# Altium PCB Controller.PcbDoc (part 1 of 3)
Units mm, origin at the board's own origin, x right, y up, seen from the top; angles counter-clockwise.
Board outline 182.88 x 202.56 mm, 2 copper layers (Top Layer, Bottom Layer), stack 1.571 mm thick; 290 components, 190 nets, 919 pads, 198 vias.
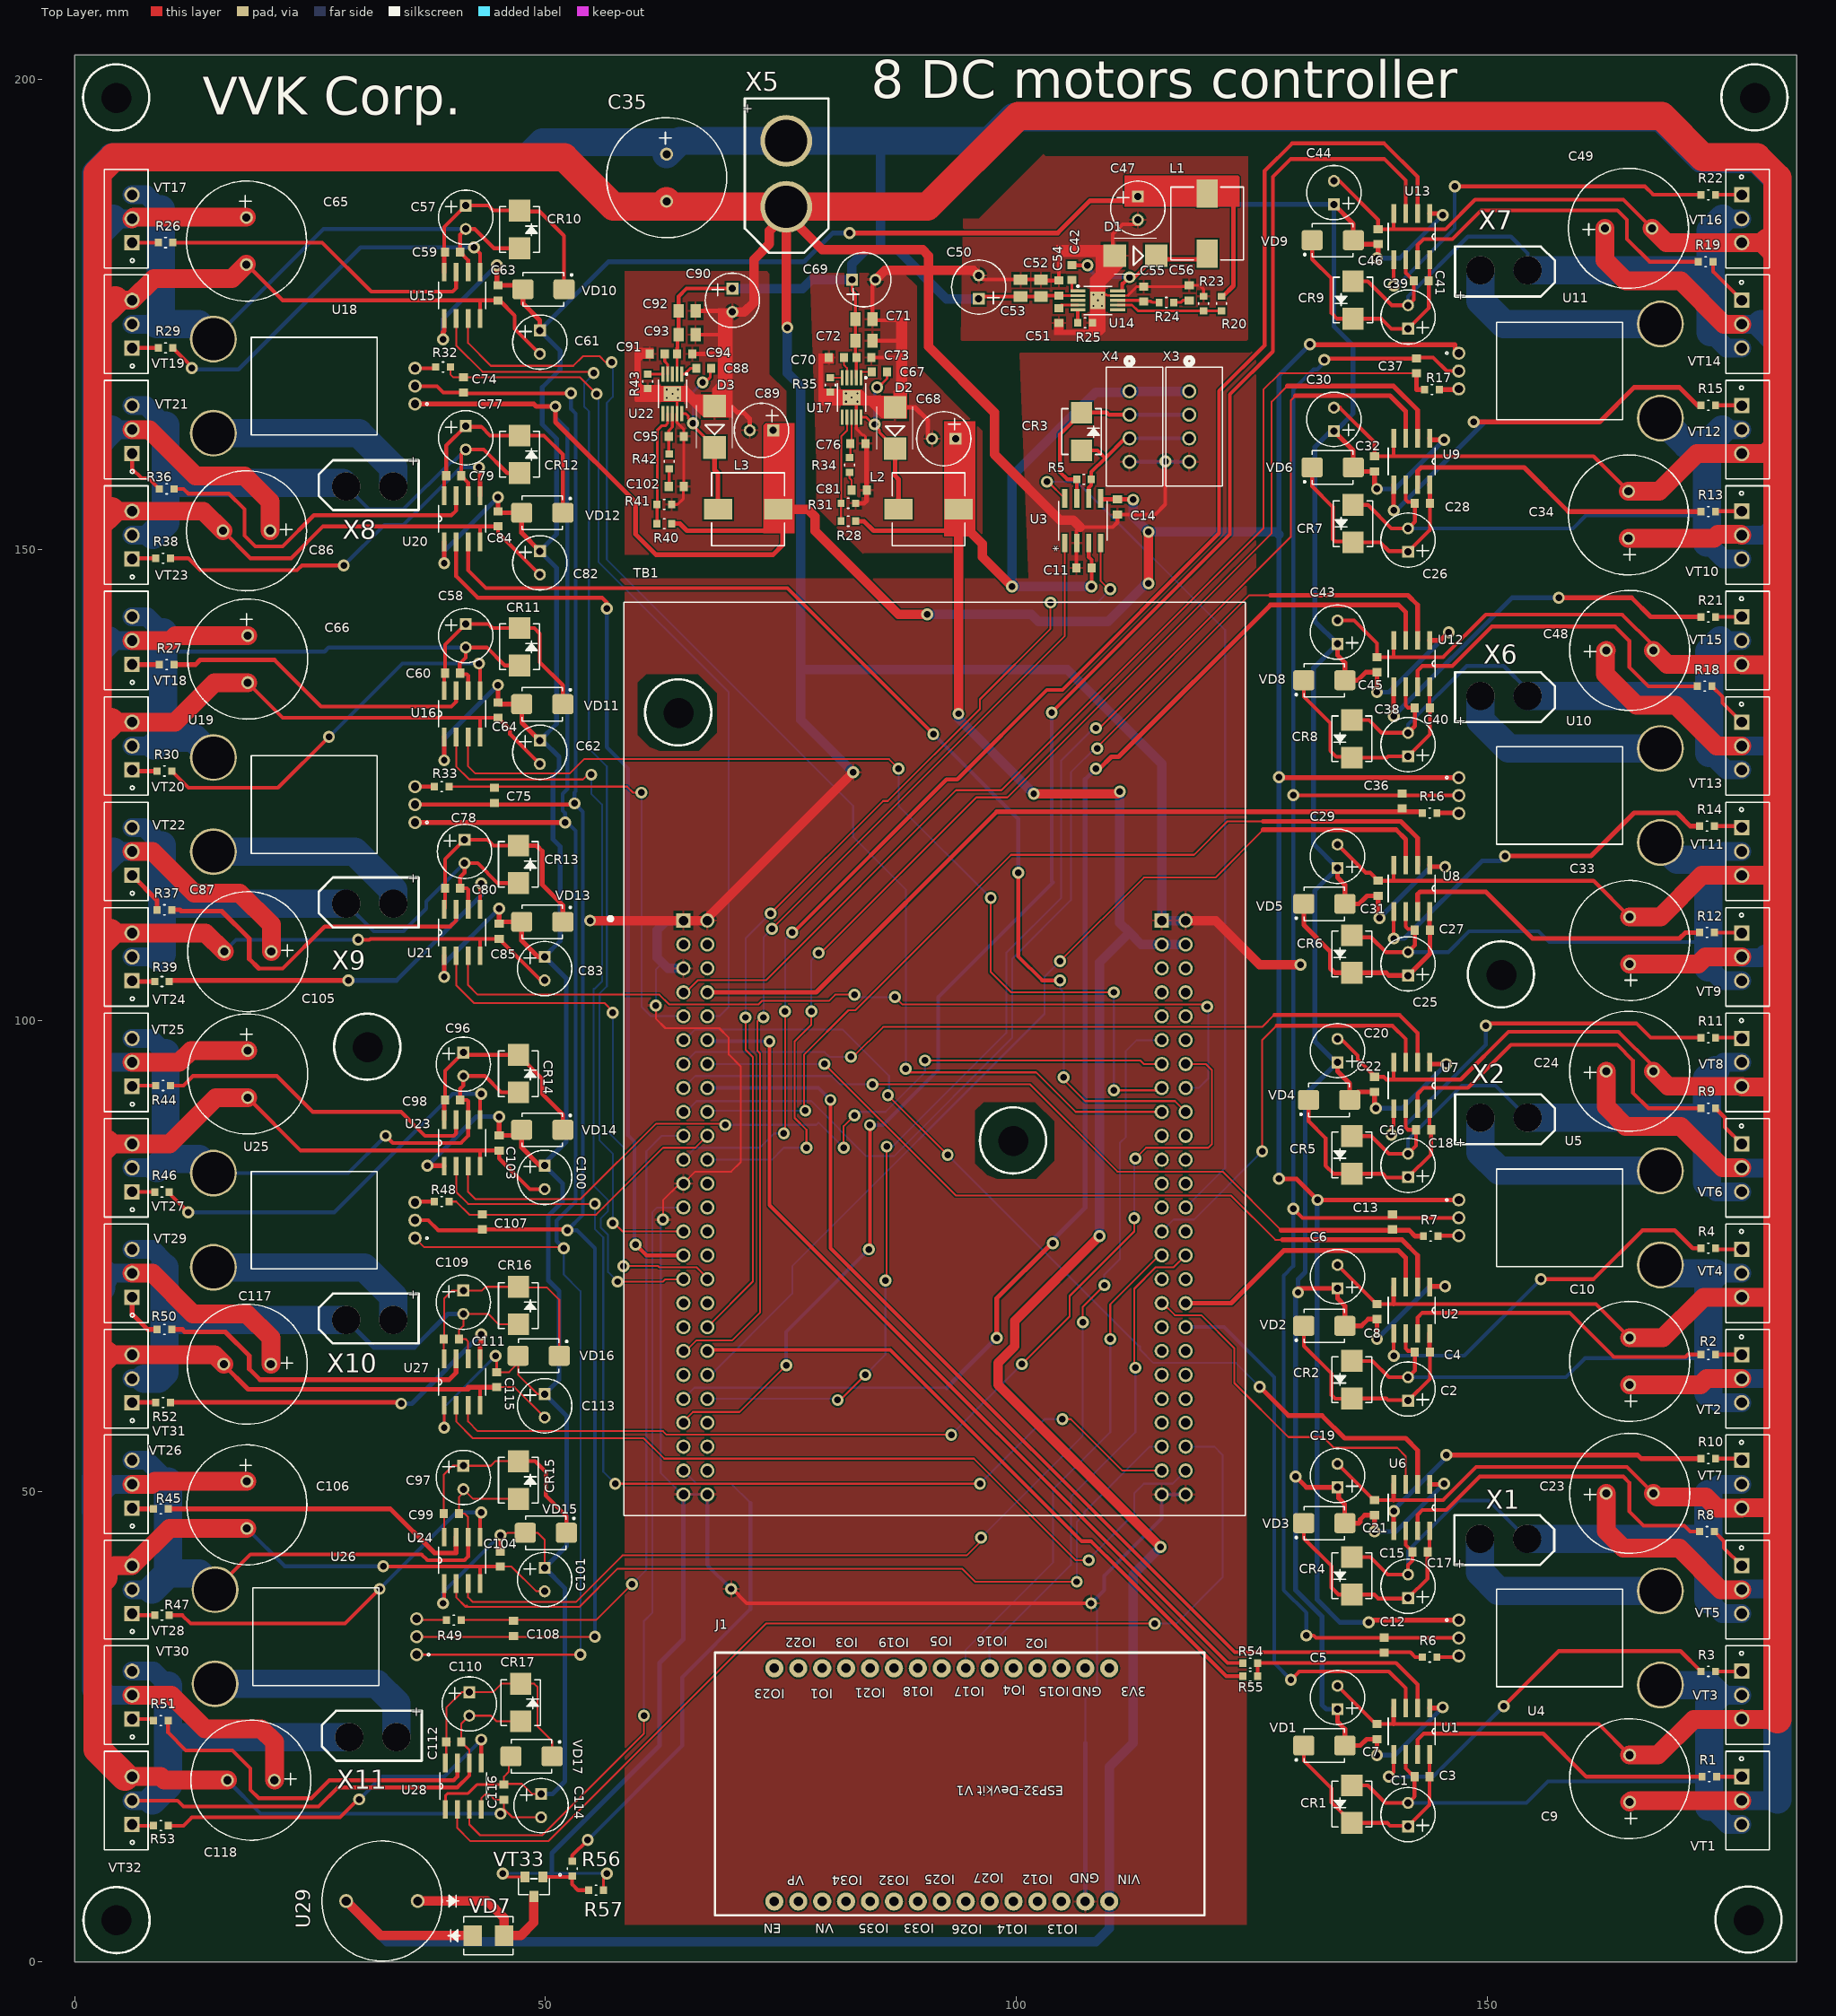
[diagram p0: Top Layer view]
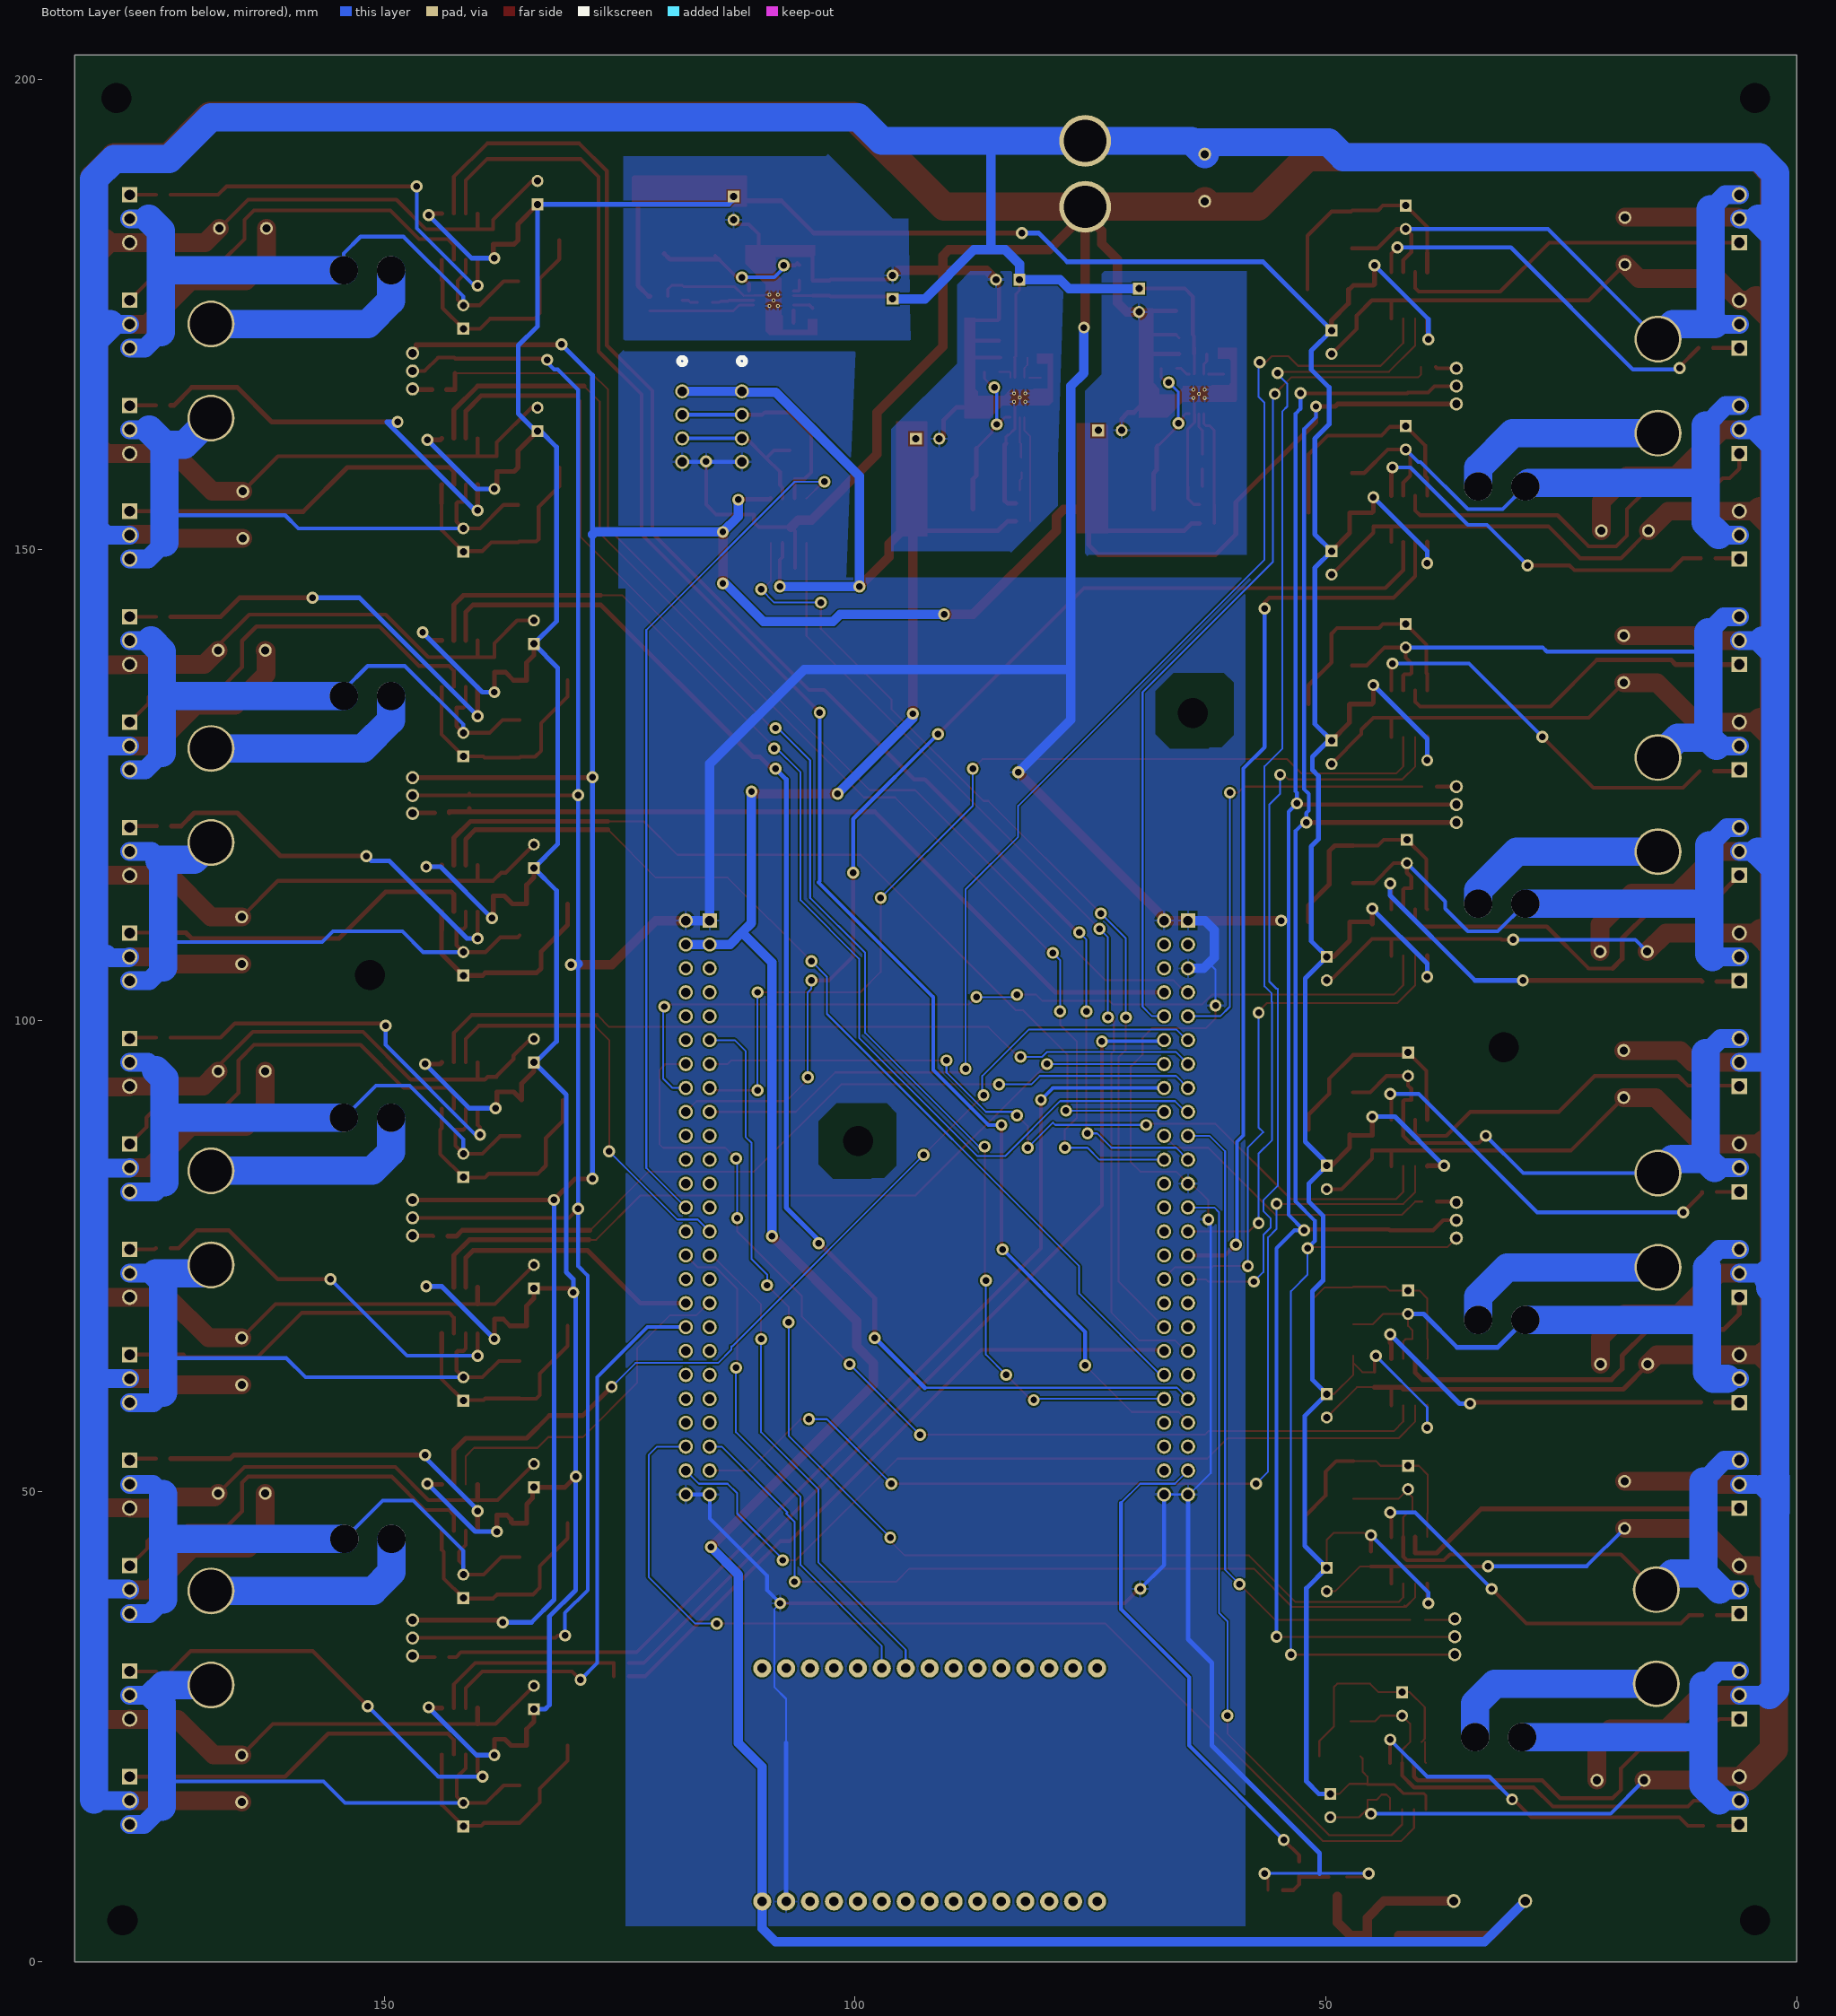
[diagram p1: Bottom Layer view, seen from below]

## Layer stack, top to bottom
Top Solder: solder mask 0.0102, Solder Resist, Dk 3.5
Top Layer: signal copper 0.0356
Dielectric 1: core 1.5, FR-4, Dk 4.2
Bottom Layer: signal copper 0.0356
Bottom Solder: solder mask 0.0102, Solder Resist, Dk 3.5

## Board outline
0,0 0,202.565 182.88,202.565 182.88,0

## Design rules (kind name [scope] priority, off if disabled: settings)
Clearance [All] p1: gap=0.17 ignorepadtopadclearanceinfootprint=FALSE
HoleSize [All] p1: absolutevalues=TRUE maxlimit=5 minlimit=0.025 maxpercent=80.000 minpercent=20.000
MinimumSolderMaskSliver [All] p1: minsoldermaskwidth=0.17
PolygonConnect [All] p1: connectstyle=Relief reliefconductorwidth=0.254 reliefentries=4 polygonreliefangle="90 Angle" airgapwidth=0.254
RoutingVias [All] p1: holewidth=0.711 width=1.27 viastyle="Through Hole" minholewidth=0.711 minwidth=1.27 maxholewidth=0.711 maxwidth=1.27
SilkToSilkClearance [All] p1: silktosilkclearance=0.2
SilkToSolderMaskClearance [IsPad] p1: minsilkscreentomaskgap=0.17 clearancetoexposedcopper=TRUE
SolderMaskExpansion [All] p1: expansion=0.102
Width [All] p1: maxlimit=5 minlimit=0.2 preferedwidth=0.2
26 further rules are at their usual default settings.

## Components (designator, comment, footprint, x,y, rotation, side; value= is the part's Value field where it differs from the comment)
C1 "10uF 16V" PCAP_5x11-THRU-E 141.605,16.891 r90 top value=Value
C2 "10uF 16V" PCAP_5x11-THRU-E 141.605,62.103 r90 top value=Value
C3 "0.1uF" 0603 143.091,19.685 r0 top value=Value
C4 "0.1uF" 0603 143.129,64.77 r0 top value=Value
C5 "10uF 16V" PCAP_5x11-THRU-E 134.112,29.337 r90 top value=Value
C6 "10uF 16V" PCAP_5x11-THRU-E 134.112,74.041 r90 top value=Value
C7 "0.1uF" 0603 138.303,24.473 r270 top value=Value
C8 "0.1uF" 0603 138.303,69.088 r270 top value=Value
C9 "470uF 50V" CAP_UAQ_12P5X20 165.14,21.971 r90 top value=Value
C10 "470uF 50V" CAP_UAQ_12P5X20 165.14,66.294 r90 top value=Value
C11 "0.1uF" 0603 107.188,148.082 r0 top value=Value
C12 "0.1uF" 0603 139.065,33.655 r90 top value=Value
C13 "0.1uF" 0603 139.954,78.613 r90 top value=Value
C14 "0.1uF" 0603 110.744,154.559 r90 top value=Value
C15 "10uF 16V" PCAP_5x11-THRU-E 141.605,41.148 r90 top value=Value
C16 "10uF 16V" PCAP_5x11-THRU-E 141.605,85.852 r90 top value=Value
C17 "0.1uF" 0603 142.875,43.561 r0 top value=Value
C18 "0.1uF" 0603 143.256,88.392 r0 top value=Value
C19 "10uF 16V" PCAP_5x11-THRU-E 134.112,52.908 r90 top value=Value
C20 "10uF 16V" PCAP_5x11-THRU-E 134.112,98.044 r90 top value=Value
C21 "0.1uF" 0603 138.049,48.26 r270 top value=Value
C22 "0.1uF" 0603 138.049,93.218 r270 top value=Value
C23 "470uF 50V" CAP_UAQ_12P5X20 167.64,49.784 r0 top value=Value
C24 "470uF 50V" CAP_UAQ_12P5X20 167.64,94.615 r0 top value=Value
C25 "10uF 16V" PCAP_5x11-THRU-E 141.605,107.264 r90 top value=Value
C26 "10uF 16V" PCAP_5x11-THRU-E 141.605,152.273 r90 top value=Value
C27 "0.1uF" 0603 143.129,109.601 r0 top value=Value
C28 "0.1uF" 0603 143.129,154.94 r0 top value=Value
C29 "10uF 16V" PCAP_5x11-THRU-E 134.112,118.694 r90 top value=Value
C30 "10uF 16V" PCAP_5x11-THRU-E 133.731,165.1 r90 top value=Value
C31 "0.1uF" 0603 138.43,114.046 r270 top value=Value
C32 "0.1uF" 0603 138.049,159.131 r270 top value=Value
C33 "470uF 50V" CAP_UAQ_12P5X20 165.14,110.998 r90 top value=Value
C34 "470uF 50V" CAP_UAQ_12P5X20 165.013,156.21 r90 top value=Value
C35 "470uF 50V" CAP_UAQ_12P5X20 62.865,187.024 r270 top value=Value
C36 "0.1uF" 0603 140.97,123.317 r90 top value=Value
C37 "0.1uF" 0603 142.494,169.545 r90 top value=Value
C38 "10uF 16V" PCAP_5x11-THRU-E 141.605,130.556 r90 top value=Value
C39 "10uF 16V" PCAP_5x11-THRU-E 141.605,175.971 r90 top value=Value
C40 "0.1uF" 0603 143.129,133.223 r0 top value=Value
C41 "0.1uF" 0603 143.002,178.562 r0 top value=Value
C42 "0.1uF" 0603 105.918,179.451 r270 top value=Value
C43 "10uF 16V" PCAP_5x11-THRU-E 134.112,142.494 r90 top value=Value
C44 "10uF 16V" PCAP_5x11-THRU-E 133.731,189.179 r90 top value=Value
C45 "0.1uF" 0603 138.303,137.795 r270 top value=Value
C46 "0.1uF" 0603 138.43,183.261 r270 top value=Value
C47 "47uF 16V" PCAP_5x11-THRU-E 112.903,185.039 r270 top value=Value
C48 "470uF 50V" CAP_UAQ_12P5X20 167.64,139.319 r0 top value=Value
C49 "470uF 50V" CAP_UAQ_12P5X20 167.513,184.15 r0 top value=Value
C50 "47uF 16V" PCAP_5x11-THRU-E 96.012,179.146 r90 top value=Value
C51 "0.01uF" 0603 104.521,174.879 r270 top value=Value
C52 "2.2uF" CAP_0805J_AVX 102.616,177.8 r270 top
C53 "2.2uF" CAP_0805J_AVX 100.457,177.8 r270 top
C54 "0.1uF" 0603 104.521,177.8 r270 top value=Value
C55 "6.8pF" 0603 113.538,177.165 r270 top value=Value
C56 "2700pF" 0603 118.364,177.292 r270 top value=Value
C57 "10uF 16V" PCAP_5x11-THRU-E 41.529,184.074 r270 top value=Value
C58 "10uF 16V" PCAP_5x11-THRU-E 41.529,139.624 r270 top value=Value
C59 "0.1uF" 0603 40.132,181.61 r180 top value=Value
C60 "0.1uF" 0603 40.132,136.906 r180 top value=Value
C61 "10uF 16V" PCAP_5x11-THRU-E 49.403,170.815 r270 top value=Value
C62 "10uF 16V" PCAP_5x11-THRU-E 49.403,127.254 r270 top value=Value
C63 "0.1uF" 0603 44.958,177.292 r90 top value=Value
C64 "0.1uF" 0603 44.958,132.969 r90 top value=Value
C65 "470uF 50V" CAP_UAQ_12P5X20 18.248,180.293 r270 top value=Value
C66 "470uF 50V" CAP_UAQ_12P5X20 18.375,135.89 r270 top value=Value
C67 "0.1uF" 0603 85.471,168.91 r180 top value=Value
C68 "47uF 16V" PCAP_5x11-THRU-E 91.059,161.798 r180 top value=Value
C69 "47uF 16V" PCAP_5x11-THRU-E 85.039,178.689 r0 top value=Value
C70 "0.01uF" 0603 80.899,170.434 r180 top value=Value
C71 "2.2uF" CAP_0805J_AVX 83.82,174.498 r180 top
C72 "2.2uF" CAP_0805J_AVX 83.82,172.212 r180 top
C73 "0.1uF" 0603 83.82,170.434 r180 top value=Value
C74 "0.1uF" 0603 41.275,167.513 r270 top value=Value
C75 "0.1uF" 0603 44.577,123.914 r270 top value=Value
C76 "6.8pF" 0603 83.185,161.29 r180 top value=Value
C77 "10uF 16V" PCAP_5x11-THRU-E 41.529,160.655 r270 top value=Value
C78 "10uF 16V" PCAP_5x11-THRU-E 41.402,116.713 r270 top value=Value
C79 "0.1uF" 0603 40.259,157.861 r180 top value=Value
C80 "0.1uF" 0603 40.132,114.046 r180 top value=Value
C81 "2700pF" 0603 83.312,156.337 r180 top value=Value
C82 "10uF 16V" PCAP_5x11-THRU-E 49.403,147.371 r270 top value=Value
C83 "10uF 16V" PCAP_5x11-THRU-E 49.911,104.267 r270 top value=Value
C84 "0.1uF" 0603 44.958,153.289 r90 top value=Value
C85 "0.1uF" 0603 45.085,109.474 r90 top value=Value
C86 "470uF 50V" CAP_UAQ_12P5X20 15.748,152.019 r180 top value=Value
C87 "470uF 50V" CAP_UAQ_12P5X20 15.875,107.315 r180 top value=Value
C88 "0.1uF" 0603 66.815,169.291 r180 top value=Value
C89 "47uF 16V" PCAP_5x11-THRU-E 71.692,162.687 r180 top value=Value
C90 "47uF 16V" PCAP_5x11-THRU-E 69.85,175.26 r270 top value=Value
C91 "0.01uF" 0603 61.862,170.815 r180 top value=Value
C92 "2.2uF" CAP_0805J_AVX 65.037,175.387 r180 top
C93 "2.2uF" CAP_0805J_AVX 65.037,172.847 r180 top
C94 "0.1uF" 0603 64.783,170.815 r180 top value=Value
C95 "6.8pF" 0603 63.894,162.052 r180 top value=Value
C96 "10uF 16V" PCAP_5x11-THRU-E 41.275,94.107 r270 top value=Value
C97 "10uF 16V" PCAP_5x11-THRU-E 41.275,50.216 r270 top value=Value
C98 "0.1uF" 0603 40.132,91.567 r180 top value=Value
C99 "0.1uF" 0603 40.005,47.625 r180 top value=Value
C100 "10uF 16V" PCAP_5x11-THRU-E 49.911,82.093 r270 top value=Value
C101 "10uF 16V" PCAP_5x11-THRU-E 49.911,39.37 r270 top value=Value
C102 "2700pF" 0603 63.894,156.718 r180 top value=Value
C103 "0.1uF" 0603 45.085,86.995 r90 top value=Value
C104 "0.1uF" 0603 45.212,42.799 r90 top value=Value
C105 "470uF 50V" CAP_UAQ_12P5X20 18.375,91.821 r270 top value=Value
C106 "470uF 50V" CAP_UAQ_12P5X20 18.288,46.054 r270 top value=Value
C107 "0.1uF" 0603 43.307,78.613 r270 top value=Value
C108 "0.1uF" 0603 46.609,35.433 r270 top value=Value
C109 "10uF 16V" PCAP_5x11-THRU-E 41.275,68.834 r270 top value=Value
C110 "10uF 16V" PCAP_5x11-THRU-E 41.91,26.162 r270 top value=Value
C111 "0.1uF" 0603 40.005,66.167 r180 top value=Value
C112 "0.1uF" 0603 40.259,23.368 r180 top value=Value
C113 "10uF 16V" PCAP_5x11-THRU-E 49.911,57.836 r270 top value=Value
C114 "10uF 16V" PCAP_5x11-THRU-E 49.53,15.367 r270 top value=Value
C115 "0.1uF" 0603 44.831,61.849 r90 top value=Value
C116 "0.1uF" 0603 45.593,18.034 r90 top value=Value
C117 "470uF 50V" CAP_UAQ_12P5X20 15.828,63.5 r180 top value=Value
C118 "470uF 50V" CAP_UAQ_12P5X20 16.209,19.304 r180 top value=Value
CR1 "SM6T15A" SMB_STM 135.636,16.764 r90 top
CR2 "SM6T15A" SMB_STM 135.636,61.849 r90 top
CR3 "SM6T18CA" SMB_STM 106.934,162.56 r270 top
CR4 "SM6T15A" SMB_STM 135.636,41.021 r90 top
CR5 "SM6T15A" SMB_STM 135.636,85.725 r90 top
CR6 "SM6T15A" SMB_STM 135.636,107.061 r90 top
CR7 "SM6T15A" SMB_STM 135.763,152.781 r90 top
CR8 "SM6T15A" SMB_STM 135.636,129.921 r90 top
CR9 "SM6T15A" SMB_STM 135.763,176.53 r90 top
CR10 "SM6T15A" SMB_STM 47.244,184.023 r270 top
CR11 "SM6T15A" SMB_STM 47.244,139.7 r270 top
CR12 "SM6T15A" SMB_STM 47.244,160.147 r270 top
CR13 "SM6T15A" SMB_STM 47.117,116.586 r270 top
CR14 "SM6T15A" SMB_STM 47.117,94.361 r270 top
CR15 "SM6T15A" SMB_STM 47.117,51.181 r270 top
CR16 "SM6T15A" SMB_STM 47.117,69.723 r270 top
CR17 "SM6T15A" SMB_STM 47.371,27.559 r270 top
D1 "MBRS260T3G" SMB 112.649,181.229 r180 top
D2 "MBRS260T3G" SMB 87.122,162.941 r90 top
D3 "MBRS260T3G" SMB 67.958,163.068 r90 top
J1 "ESP32DEVKITV1" ESP32-DEVKITV1 86.995,17.653 r180 top
L1 "B82472G6103M000" IND_EPCOS_B82472G6_EPC 120.269,184.658 r270 top
L2 "B82472G6103M000" IND_EPCOS_B82472G6_EPC 90.678,154.305 r180 top
L3 "B82472G6103M000" IND_EPCOS_B82472G6_EPC 71.514,154.305 r180 top
R1 "10" RC0603N 173.609,19.685 r180 top value=Value
R2 "10" RC0603N 173.482,64.516 r180 top value=Value
R3 "10" RC0603N 173.482,30.861 r180 top value=Value
R4 "10" RC0603N 173.482,75.819 r180 top value=Value
R5 "120" RC0603N 107.188,157.48 r0 top value=Value
R6 "470" RC0603N 143.891,32.385 r180 top value=Value
R7 "470" RC0603N 144.018,77.089 r180 top value=Value
R8 "10" RC0603N 173.355,45.72 r180 top value=Value
R9 "10" RC0603N 173.482,90.678 r180 top value=Value
R10 "10" RC0603N 173.482,53.467 r180 top value=Value
R11 "10" RC0603N 173.482,98.171 r180 top value=Value
R12 "10" RC0603N 173.355,109.347 r180 top value=Value
R13 "10" RC0603N 173.482,154.051 r180 top value=Value
R14 "10" RC0603N 173.355,120.65 r180 top value=Value
R15 "10" RC0603N 173.482,165.354 r180 top value=Value
R16 "470" RC0603N 143.891,122.047 r180 top value=Value
R17 "470" RC0603N 144.145,167.005 r180 top value=Value
R18 "10" RC0603N 173.101,135.509 r180 top value=Value
R19 "10" RC0603N 173.212,180.594 r180 top value=Value
R20 "82k" RC0603N 121.793,176.149 r270 top value=Value
R21 "10" RC0603N 173.482,142.875 r180 top value=Value
R22 "10" RC0603N 173.482,187.706 r180 top value=Value
R23 "6.2k" RC0603N 119.888,176.149 r90 top value=Value
R24 "76.8k" RC0603N 115.951,176.276 r0 top value=Value
R25 "90.9k" RC0603N 107.315,174.117 r0 top value=Value
R26 "10" RC0603N 9.652,182.626 r0 top value=Value
R27 "10" RC0603N 9.779,137.795 r0 top value=Value
R28 "62k" RC0603N 82.169,153.035 r180 top value=Value
R29 "10" RC0603N 9.652,171.45 r0 top value=Value
R30 "10" RC0603N 9.525,126.492 r0 top value=Value
R31 "12k" RC0603N 82.169,154.94 r0 top value=Value
R32 "470" RC0603N 39.116,169.418 r0 top value=Value
R33 "470" RC0603N 38.989,124.841 r0 top value=Value
R34 "76.8k" RC0603N 82.296,159.004 r270 top value=Value
R35 "90.9k" RC0603N 80.264,167.513 r270 top value=Value
R36 "10" RC0603N 9.779,156.464 r0 top value=Value
R37 "10" RC0603N 9.525,111.76 r0 top value=Value
R38 "10" RC0603N 9.398,149.098 r0 top value=Value
R39 "10" RC0603N 9.271,104.14 r0 top value=Value
R40 "47k" RC0603N 62.624,152.781 r180 top value=Value
R41 "15k" RC0603N 62.624,154.813 r0 top value=Value
R42 "76.8k" RC0603N 63.132,159.385 r270 top value=Value
R43 "90.9k" RC0603N 60.846,167.894 r270 top value=Value
R44 "10" RC0603N 9.398,93.091 r0 top value=Value
R45 "10" RC0603N 9.144,48.133 r0 top value=Value
R46 "10" RC0603N 9.271,81.788 r0 top value=Value
R47 "10" RC0603N 9.271,36.83 r0 top value=Value
R48 "470" RC0603N 38.989,80.772 r0 top value=Value
R49 "470" RC0603N 40.259,36.322 r0 top value=Value
R50 "10" RC0603N 9.525,67.183 r0 top value=Value
R51 "10" RC0603N 9.144,25.654 r0 top value=Value
R52 "10" RC0603N 9.398,59.436 r0 top value=Value
R53 "10" RC0603N 9.144,14.478 r0 top value=Value
R54 "0" RC0603N 124.841,31.75 r180 top value=Value
R55 "0" RC0603N 124.841,30.353 r180 top value=Value
R56 "51" RC0603N 52.832,9.906 r90 top value=Value
R57 "10k" RC0603N 55.372,7.62 r0 top value=Value
TB1 "STM32F4DISCOVERY" MODULE_STM32F4DISCOVERY 91.313,95.937 r0 top
U1 "IR2109" SOIC127P600X175-8N 141.986,24.511 r270 top
U2 "IR2109" SOIC127P600X175-8N 141.986,69.215 r270 top
U3 "MCP2562" SOIC8-N_MC_MCH 107.061,153.086 r90 top
U4 "ACS758-150B" PFF-5_ALM 146.99,36.317 r270 top
U5 "ACS758-150B" PFF-5_ALM 146.99,80.941 r270 top
U6 "IR2109" SOIC127P600X175-8N 141.986,48.26 r270 top
U7 "IR2109" SOIC127P600X175-8N 141.986,93.091 r270 top
U8 "IR2109" SOIC127P600X175-8N 141.986,114.046 r270 top